# Altium PCB BLE-T1.PcbDoc (part 1 of 3)
Units mm, origin at the board's own origin, x right, y up, seen from the top; angles counter-clockwise.
Board outline 284.81 x 94.3 mm, 2 copper layers (Component Side, Bottom Layer), stack 1.571 mm thick; 189 components, 121 nets, 835 pads, 172 vias.
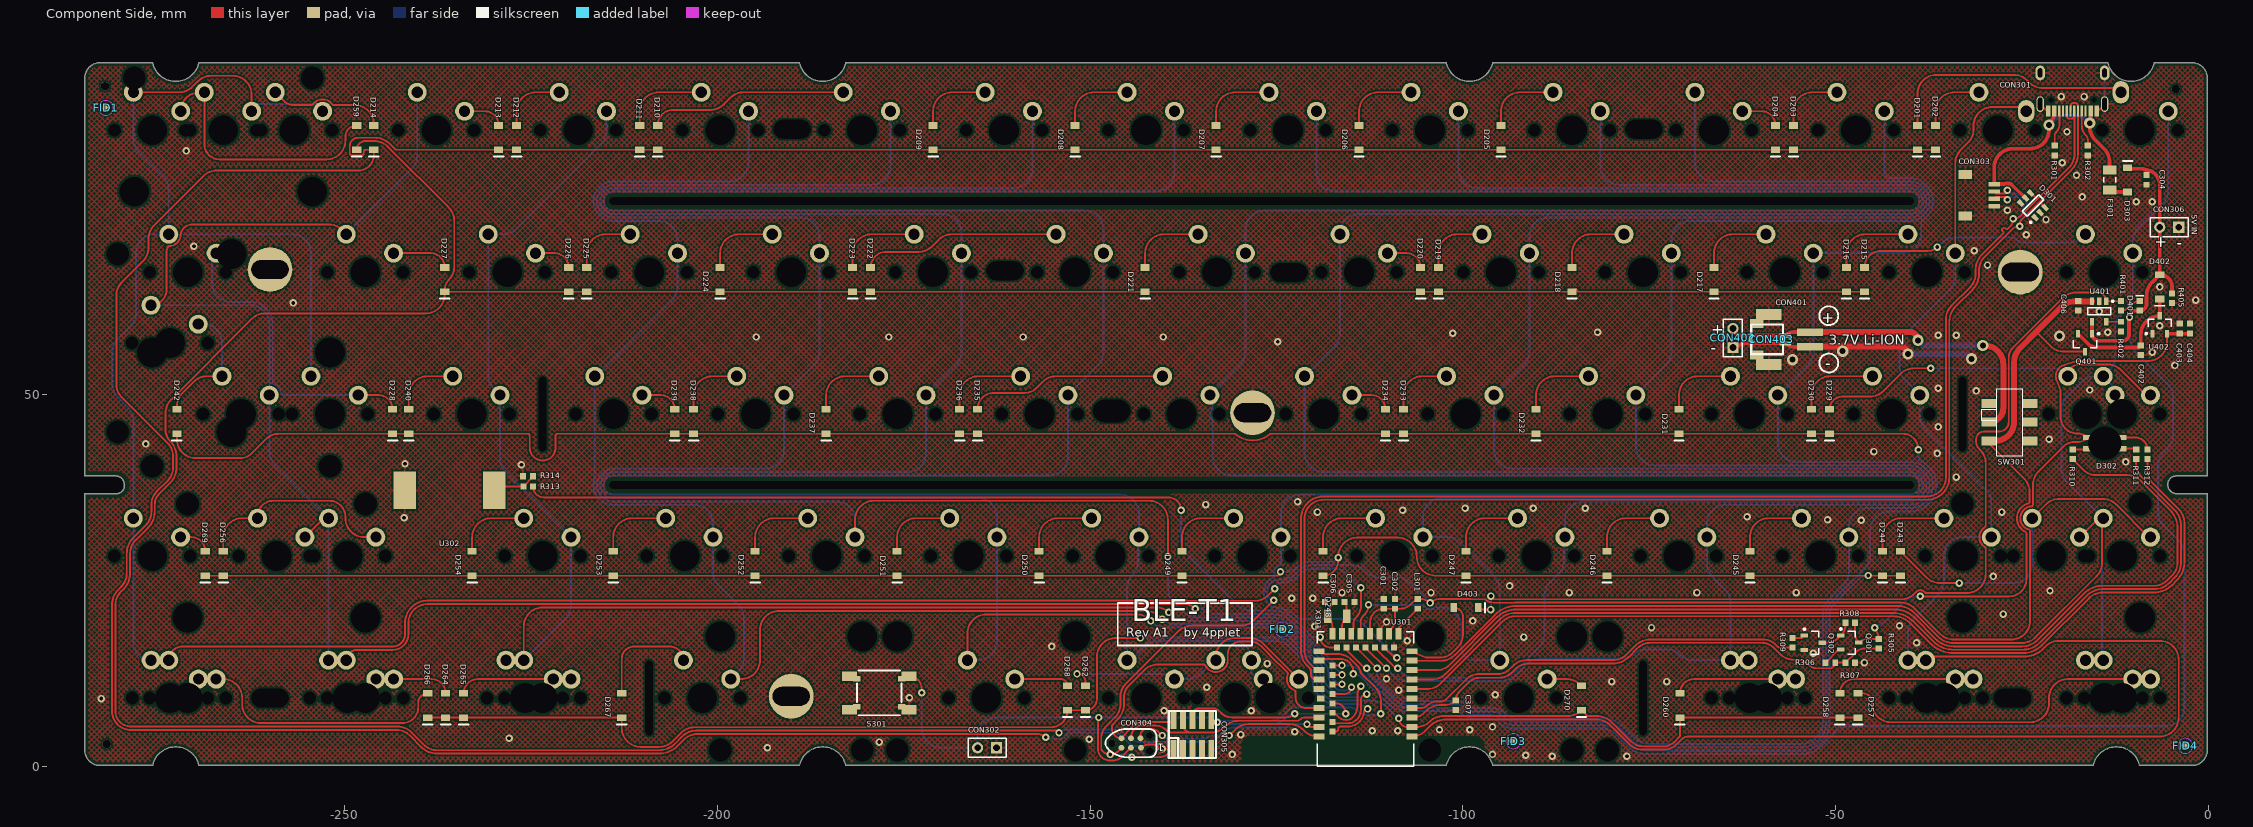
[diagram p0: Component Side view]
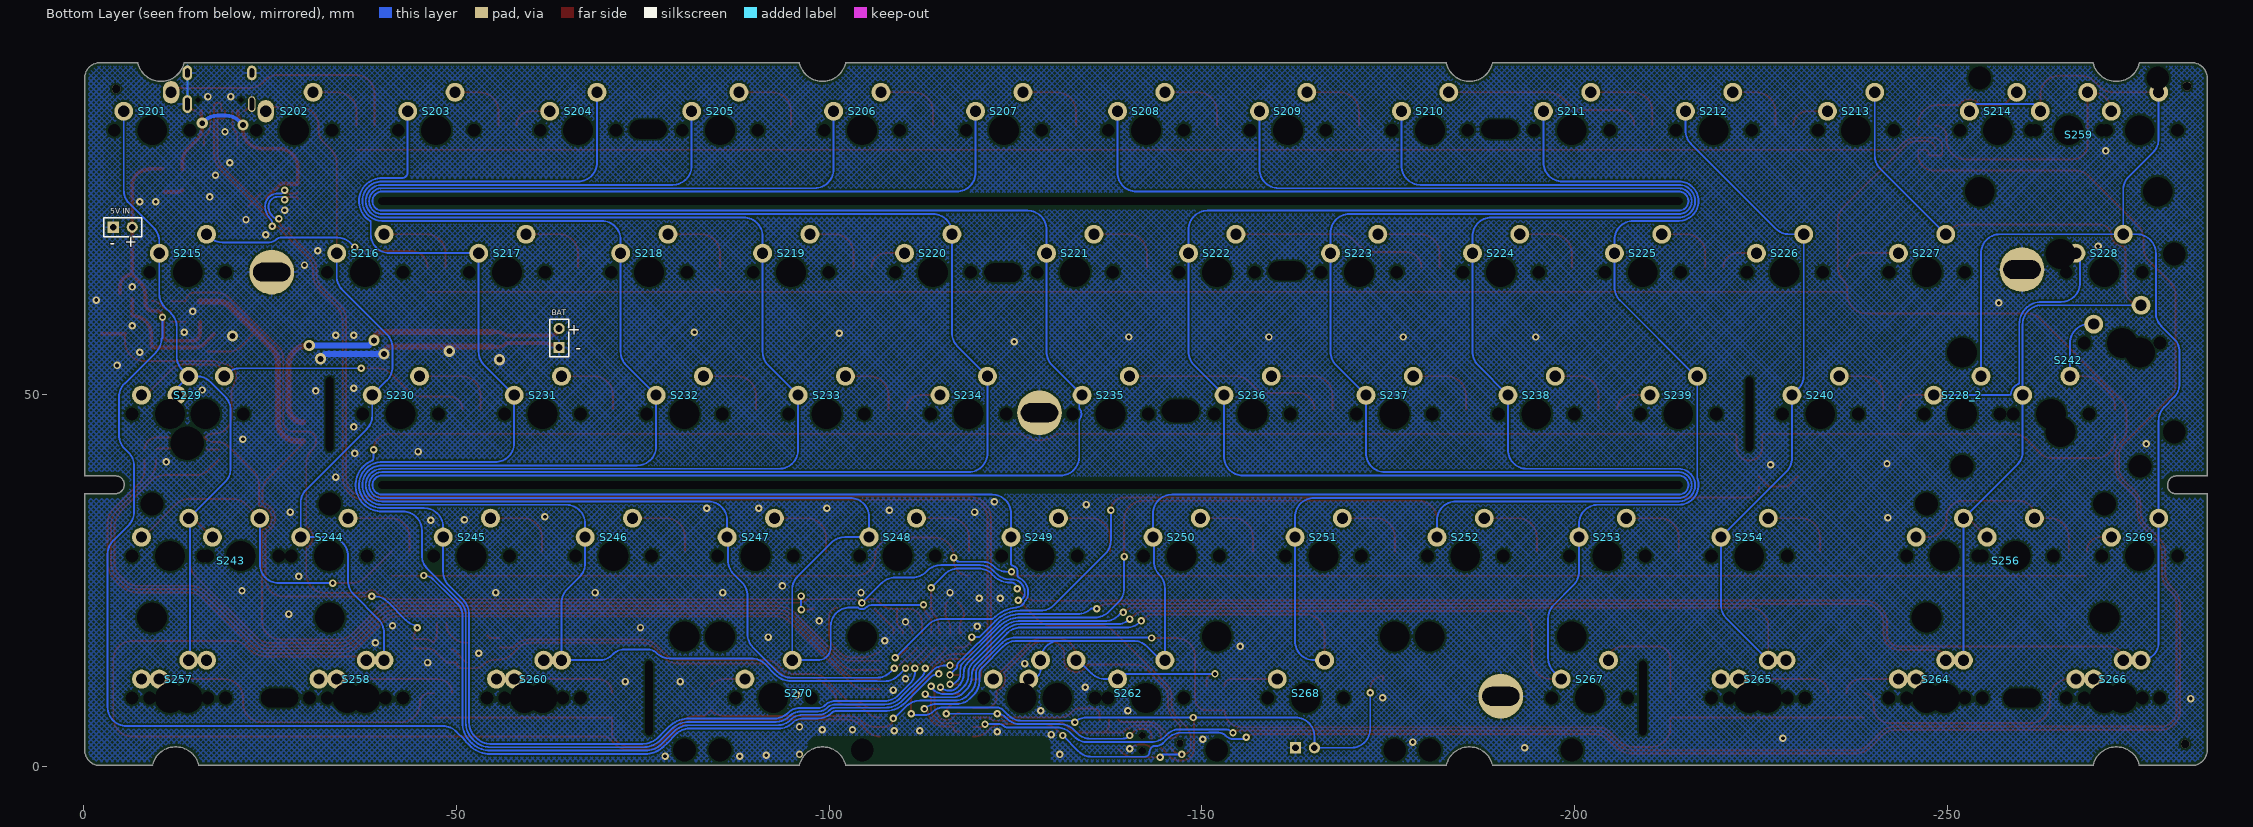
[diagram p1: Bottom Layer view, seen from below]

## Layer stack, top to bottom
Top Solder: solder mask 0.0102, Solder Resist, Dk 3.5
Component Side: signal copper 0.0356
Dielectric 1: core 1.5, FR-4, Dk 4.2
Bottom Layer: signal copper 0.0356
Solder Side: solder mask 0.0102, Solder Resist, Dk 3.5

## Board outline
-282.85,0.165 ccw(c-282.85,0.215) -282.85,0.165 cw(c-282.85,2.215) -284.9,2.215 -284.9,36.545 cw(c-284.861,36.576) -284.861,36.626 -280.67,36.626 ccw(c-280.67,37.719) -279.577,37.719 -279.577,37.795 ccw(c-280.797,37.795) -280.797,39.015 -284.85,39.015 cw(c-284.85,39.065) -284.9,39.065 -284.9,92.415 cw(c-282.85,92.415) -282.85,94.465 cw(c-282.85,94.415) -282.85,94.465 -275.85,94.465 cw(c-275.85,94.415) -275.801,94.426 cw(c-272.7,95.149) -275.801,94.426 ccw(c-272.7,95.149) -269.599,94.426 cw(c-269.55,94.415) -269.55,94.465 -189.05,94.465 cw(c-189.05,94.415) -189.001,94.426 ccw(c-185.9,95.149) -182.799,94.426 cw(c-182.75,94.415) -182.75,94.465 -102.25,94.465 cw(c-102.25,94.415) -102.201,94.426 cw(c-99.1,95.149) -102.201,94.426 ccw(c-99.1,95.149) -95.999,94.426 cw(c-95.95,94.415) -95.95,94.465 -13.477,94.465 cw(c-13.477,94.415) -13.428,94.426 cw(c-10.327,95.149) -13.428,94.426 ccw(c-10.327,95.149) -7.226,94.426 cw(c-7.177,94.415) -7.164,94.464 cw(c-7.15,94.415) -7.15,94.465 -2.15,94.465 cw(c-2.15,92.415) -0.1,92.415 -0.1,39.065 cw(c-0.15,39.065) -0.15,39.015 -4.242,39.015 ccw(c-4.242,37.846) -5.411,37.846 ccw(c-4.191,37.846) -4.191,36.626 -0.15,36.626 cw(c-0.15,36.576) -0.1,36.576 -0.1,2.215 cw(c-2.15,2.215) -2.15,0.165 -9.15,0.165 ccw(c-9.15,0.215) -9.15,0.165 cw(c-9.15,0.215) -9.199,0.204 ccw(c-12.3,-0.52) -15.401,0.204 ccw(c-12.3,-0.52) -15.401,0.204 cw(c-15.45,0.215) -15.45,0.165 -95.95,0.165 cw(c-95.95,0.215) -95.999,0.204 ccw(c-99.1,-0.52) -102.201,0.204 ccw(c-99.1,-0.52) -102.201,0.204 cw(c-102.25,0.215) -102.25,0.165 -182.75,0.165 cw(c-182.75,0.215) -182.799,0.204 cw(c-185.9,-0.52) -182.799,0.204 ccw(c-185.9,-0.52) -189.001,0.204 cw(c-189.05,0.215) -189.05,0.165 -269.55,0.165 cw(c-269.55,0.215) -269.55,0.165 cw(c-269.55,0.215) -269.599,0.204 ccw(c-272.7,-0.52) -275.801,0.204 ccw(c-272.7,-0.52) -275.801,0.204 cw(c-275.85,0.215) -275.85,0.165

## Design rules (kind name [scope] priority, off if disabled: settings)
Clearance [All] p1: gap=0.2 ignorepadtopadclearanceinfootprint=FALSE except(0: Arc-Hole Track-Hole SMDPad-Hole THPad-Hole Via-Hole Fill-Hole Poly-Hole Region-Hole Text-Hole; 0.254: THPad-THPad THPad-Via THPad-Fill THPad-Poly THPad-Region THPad-Text Via-Via Via-Fill Via-Poly Via-Region Via-Text Fill-Fill Fill-Poly Fill-Region Fill-Text Poly-Poly Poly-Region Poly-Text Region-Region Region-Text Text-Text)
ComponentClearance [InComponent('No Component') And OnLayer('Component Side')] p1: gap=0.254 collisioncheckmode=3 verticalgap=0.254 showdistances=FALSE
DiffPairsRouting DiffPairsRouting_USB [InDifferentialPairClass('All Differential Pairs')] p1: maxlimit=0.254 minlimit=0.203 mostfreqgap=0.203 toplayer_minwidth=0.152 toplayer_maxwidth=0.381 toplayer_prefwidth=0.152 bottomlayer_minwidth=0.152 bottomlayer_maxwidth=0.381 bottomlayer_prefwidth=0.152 maxuncoupledlength=12.7
DiffPairsRouting [All] p2: maxlimit=0.254 minlimit=0.254 mostfreqgap=0.254 toplayer_minwidth=0.381 toplayer_maxwidth=0.381 toplayer_prefwidth=0.381 bottomlayer_minwidth=0.381 bottomlayer_maxwidth=0.381 bottomlayer_prefwidth=0.381 maxuncoupledlength=12.7
HoleSize [All] p1: absolutevalues=TRUE maxlimit=20 minlimit=0.025 maxpercent=80.000 minpercent=20.000
MatchedLengths MatchedLengths_USB_DiffPairs_1 [All] p1: tolerance=0.127 checknetsindiffpair=TRUE checkdiffpairvsdiffpair=FALSE checkxsignals=FALSE checkothers=FALSE
MatchedLengths MatchedLengths_USB_DiffPairs [All] p2: tolerance=0.127 checknetsindiffpair=TRUE checkdiffpairvsdiffpair=FALSE checkxsignals=FALSE checkothers=FALSE
PolygonConnect PolygonConnect_1 [All vs IsVia] p1: connectstyle=Direct reliefconductorwidth=0.254 reliefentries=4 polygonreliefangle="90 Angle" airgapwidth=0.254
PolygonConnect [All] p2: connectstyle=Relief reliefconductorwidth=0.254 reliefentries=4 polygonreliefangle="90 Angle" airgapwidth=0.254
RoutingVias [All] p1: holewidth=0.711 width=1.27 viastyle="Through Hole" minholewidth=0.711 minwidth=1.27 maxholewidth=0.711 maxwidth=1.27
SolderMaskExpansion [All] p1: expansion=0.102 istentingtop=FALSE
Width [All] p1: maxlimit=1 minlimit=0.203 preferedwidth=0.254
27 further rules are at their usual default settings.

## Classes and differential pairs
component class Designator: C201 C202 C203 C204 C205 C206 D201 D202 D203 D204 D205 D206 D207 D208 D209 D210 D211 D212 D213 D214 D215 D216 D217 D218 D219 D220 D221 D222 D223 D224 D225 D226 D227 D228 D229 D230 D231 D232 D233 D234 D235 D236 D237 D238 D239 D240 D242 D243 D244 D245 D246 D247 D248 D249 D250 D251 D252 D253 D254 D256 D257 D258 D259 D260 D262 D264 D265 D266 D267 D268 D269 D270 S201 S202 S203 S204 S205 S206 S207 S208 S209 S210 S211 S212 S213 S214 S215 S216 S217 S218 S219 S220 S221 S222 S223 S224 S225 S226 S227 S228 S228_2 S229 S230 S231 S232 S233 S234 S235 S236 S237 S238 S239 S240 S242 S243 S244 S245 S246 S247 S248 S249 S250 S251 S252 S253 S254 S256 S257 S258 S259 S260 S262 S264 S265 S266 S267 S268 S269 S270
differential pair D: +D_P -D_N

## Components (designator, comment, footprint, x,y, rotation, side; value= is the part's Value field where it differs from the comment)
C301 "" C0603[1608] -110.617,21.844 r270 top value=0.1uF
C302 "" C0603[1608] -109.093,21.844 r270 top value=4,7uF
C304 "" C0603[1608] -8.255,78.74 r90 top value=0.1uF
C305 "" C0603[1608] -115.204,22.098 r180 top
C306 "" C0603[1608] -117.841,22.098 r0 top
C307 "DNM" C0603[1608] -100.965,8.255 r90 top
C402 "" C0603[1608] -9.017,55.88 r90 top value=4,7uF
C403 "" C0603[1608] -3.81,58.801 r270 top value=1uF
C404 "" C0603[1608] -2.413,58.801 r270 top value=4,7uF
C406 "" C0603[1608] -17.399,61.849 r90 top value=4,7uF
CON301 "TYPE-C-31-M-12" TYPE-C-31-M-12 -18.2,88 r180 top locked
CON302 "Header 2" HDR1X2 -162.56,2.54 r180 top
CON303 "Header 5" "JST SM04B-SRSS-TB" -32.577,79.484 r270 top
CON304 "TC2030-IDC" TC2030-IDC-NL -144.526,3.175 r0 top
CON305 "" HDR_2x5-SMD-1.27mm-K -136.271,4.318 r0 top
CON306 "Header" HDR1X2 -3.937,72.39 r180 top
CON401 "JST PH" "JST S2B-PH-SM4-TB" -58.928,53.975 r90 top
CON402 "Header" HDR1X2 -63.754,56.261 r90 top
CON403 "JST SH" "JST SM02B-SRSS-TB" -56.704,57.345 r270 top
D201 "Diode" SOD-123 -38.989,84.415 r90 top
D202 "Diode" SOD-123 -36.576,84.415 r90 top
D203 "Diode" SOD-123 -55.626,84.415 r90 top
D204 "Diode" SOD-123 -58.039,84.415 r90 top
D205 "Diode" SOD-123 -94.869,84.415 r90 top
D206 "Diode" SOD-123 -113.919,84.415 r90 top
D207 "Diode" SOD-123 -133.096,84.415 r90 top
D208 "Diode" SOD-123 -152.019,84.415 r90 top
D209 "Diode" SOD-123 -171.069,84.415 r90 top
D210 "Diode" SOD-123 -208.026,84.415 r90 top
D211 "Diode" SOD-123 -210.439,84.415 r90 top
D212 "Diode" SOD-123 -226.949,84.415 r90 top
D213 "Diode" SOD-123 -229.362,84.415 r90 top
D214 "Diode" SOD-123 -246.126,84.415 r90 top
D215 "Diode" SOD-123 -46.101,65.365 r90 top
D216 "Diode" SOD-123 -48.514,65.365 r90 top
D217 "Diode" SOD-123 -66.294,65.365 r90 top
D218 "Diode" SOD-123 -85.344,65.365 r90 top
D219 "Diode" SOD-123 -103.251,65.365 r90 top
D220 "Diode" SOD-123 -105.664,65.365 r90 top
D221 "Diode" SOD-123 -142.621,65.365 r90 top
D222 "Diode" SOD-123 -179.451,65.365 r90 top
D223 "Diode" SOD-123 -181.864,65.365 r90 top
D224 "Diode" SOD-123 -199.644,65.365 r90 top
D225 "Diode" SOD-123 -217.551,65.365 r90 top
D226 "Diode" SOD-123 -219.964,65.365 r90 top
D227 "Diode" SOD-123 -236.601,65.365 r90 top
D228 "Diode" SOD-123 -243.586,46.315 r90 top
D229 "Diode" SOD-123 -50.8,46.315 r90 top
D230 "Diode" SOD-123 -53.213,46.315 r90 top
D231 "Diode" SOD-123 -70.993,46.315 r90 top
D232 "Diode" SOD-123 -90.17,46.315 r90 top
D233 "Diode" SOD-123 -107.95,46.315 r90 top
D234 "Diode" SOD-123 -110.363,46.315 r90 top
D235 "Diode" SOD-123 -165.1,46.315 r90 top
D236 "Diode" SOD-123 -167.513,46.315 r90 top
D237 "Diode" SOD-123 -185.42,46.315 r90 top
D238 "Diode" SOD-123 -203.2,46.315 r90 top
D239 "Diode" SOD-123 -205.74,46.315 r90 top
D240 "Diode" SOD-123 -241.427,46.315 r90 top
D242 "Diode" SOD-123 -272.542,46.315 r90 top
D243 "Diode" SOD-123 -41.275,27.265 r90 top
D244 "Diode" SOD-123 -43.688,27.265 r90 top
D245 "Diode" SOD-123 -61.468,27.265 r90 top
D246 "Diode" SOD-123 -80.645,27.265 r90 top
D247 "Diode" SOD-123 -99.568,27.265 r90 top
D248 "Diode" SOD-123 -118.745,27.265 r90 top
D249 "Diode" SOD-123 -137.668,27.265 r90 top
D250 "Diode" SOD-123 -156.845,27.265 r90 top
D251 "Diode" SOD-123 -175.895,27.265 r90 top
D252 "Diode" SOD-123 -194.945,27.265 r90 top
D253 "Diode" SOD-123 -213.995,27.265 r90 top
D254 "Diode" SOD-123 -232.918,27.265 r90 top
D256 "Diode" SOD-123 -266.319,27.265 r90 top
D257 "Diode" SOD-123 -46.99,8.215 r90 top
D258 "Diode" SOD-123 -49.403,8.215 r90 top
D259 "Diode" SOD-123 -248.412,84.415 r90 top
D260 "Diode" SOD-123 -70.866,8.215 r90 top
D262 "Diode" SOD-123 -150.622,9.215 r90 top
D264 "Diode" SOD-123 -236.474,8.215 r90 top
D265 "Diode" SOD-123 -234.061,8.215 r90 top
D266 "Diode" SOD-123 -238.887,8.215 r90 top
D267 "Diode" SOD-123 -212.852,8.215 r90 top
D268 "Diode" SOD-123 -153.035,9.215 r90 top
D269 "Diode" SOD-123 -268.732,27.265 r90 top
D270 "Diode" SOD-123 -84.074,9.215 r90 top
D301 "SRV05" SOT-23-6 -23.495,75.311 r135 top
D302 "QT QBLP677R-RGB" "QT QBLP677R-RGB" -13.857,43.422 r0 top
D303 "Diode" SOD-123 -10.795,78.74 r270 top
D401 "LED0" LED0603[1608] -9.144,61.849 r90 top
D402 "Diode" SOD-123 -6.477,64.389 r90 top
D403 "Diode" SOD-123 -99.568,21.336 r180 top
F301 "Fuse Thermal" C1206[3216] -13.208,78.74 r90 top
FID1 "Plug" Fiducial_Nordic -282.067,88.392 r90 top
FID2 "Plug" Fiducial_Nordic -124.206,18.415 r90 top
FID3 "Plug" Fiducial_Nordic -93.218,3.429 r90 top
FID4 "Plug" Fiducial_Nordic -3.048,2.794 r90 top
L301 "Inductor" C0603[1608] -106.045,21.844 r270 top value=10mH
Q301 "PMOS-2" SOT-23-3 -48.059,16.652 r0 top
Q302 "MOSFET-N" SOT-23-3 -52.959,16.637 r0 top
Q401 "PMOS-2" SOT-23-3 -16.51,56.896 r270 top
R301 "Res1" R0603[1608] -20.574,82.677 r270 top value=5k1
R302 "Res1" R0603[1608] -16.129,82.677 r270 top value=5k1
R305 "Res1" R0603[1608] -44.196,16.51 r90 top value=DNM
R306 "Res1" R0603[1608] -50.673,13.97 r0 top value=100k
R307 "Res1" R0603[1608] -48.006,13.97 r0 top value=100k
R308 "Res1" R0603[1608] -48.006,19.304 r0 top value=10K
R309 "Res1" R0603[1608] -55.753,16.637 r270 top value=10K
R310 "Res1" R0603[1608] -18.161,41.91 r270 top value=100R
R311 "Res1" R0603[1608] -9.652,41.91 r270 top value=100R
R312 "Res1" R0603[1608] -8.128,41.91 r90 top value=150R
R313 "Res1" R0603[1608] -225.41,37.592 r180 top value=470
R314 "Res1" R0603[1608] -225.425,38.989 r0 top value=DNM
R401 "Res1" R0603[1608] -11.684,61.849 r270 top value=470
R402 "Res1" R0603[1608] -11.684,59.055 r270 top value=5k1
R405 "Res1" R0603[1608] -4.826,62.865 r270 top value=100k
S201 "MX" "MX-SWITCH - SWITCHED POL"#1 -9.15,85.415 r180 bottom locked
S202 "MX" "MX-switch - switched pol - connector" -28.2,85.415 r180 bottom locked
S203 "MX" "MX-SWITCH - SWITCHED POL"#2 -47.25,85.415 r180 bottom locked
S204 "MX" MX-switch -66.3,85.415 r180 bottom locked
S205 "MX" "MX-switch - switched pol" -85.35,85.415 r180 bottom locked
S206 "MX" "MX-switch - switched pol" -104.4,85.415 r180 bottom locked
S207 "MX" "MX-switch - switched pol" -123.45,85.415 r180 bottom locked
S208 "MX" "MX-switch - switched pol" -142.5,85.415 r180 bottom locked
S209 "MX" "MX-switch - switched pol" -161.55,85.415 r180 bottom locked
S210 "MX" "MX-switch - switched pol" -180.6,85.415 r180 bottom locked
S211 "MX" "MX-switch - switched pol" -199.65,85.415 r180 bottom locked
S212 "MX" "MX-switch - switched pol" -218.7,85.415 r180 bottom locked
S213 "MX" MX-switch -237.75,85.415 r180 bottom locked
S214 "MX" "MX-switch - switched pol" -256.8,85.415 r180 bottom locked
S215 "MX" "MX-switch - 1.5U - switched pol" -13.912,66.365 r180 bottom locked
S216 "MX" "MX-SWITCH - SWITCHED POL"#2 -37.725,66.365 r180 bottom locked
S217 "MX" "MX-SWITCH - SWITCHED POL"#2 -56.775,66.365 r180 bottom locked
S218 "MX" "MX-SWITCH - SWITCHED POL"#2 -75.825,66.365 r180 bottom locked
S219 "MX" "MX-SWITCH - SWITCHED POL"#2 -94.875,66.365 r180 bottom locked
S220 "MX" MX-switch -113.925,66.365 r180 bottom locked
S221 "MX" "MX-SWITCH - SWITCHED POL"#2 -132.975,66.365 r180 bottom locked
S222 "MX" "MX-SWITCH - SWITCHED POL"#2 -152.025,66.365 r180 bottom locked
S223 "MX" "MX-SWITCH - SWITCHED POL"#2 -171.075,66.365 r180 bottom locked
S224 "MX" "MX-SWITCH - SWITCHED POL"#2 -190.125,66.365 r180 bottom locked
S225 "MX" "MX-SWITCH - SWITCHED POL"#2 -209.175,66.365 r180 bottom locked
S226 "MX" MX-switch -228.225,66.365 r180 bottom locked
S227 "MX" MX-switch -247.275,66.365 r180 bottom locked
S228 "MX" "MX-switch - 1.5U" -271.087,66.365 r180 bottom locked
S228_2 "MX" MX-switch -252.012,47.315 r180 bottom
S229 "MX" "MX-switch - CAPS" -16.294,47.315 r180 bottom locked
S230 "MX" "MX-SWITCH - SWITCHED POL"#2 -42.487,47.315 r180 bottom locked
S231 "MX" "MX-SWITCH - SWITCHED POL"#2 -61.537,47.315 r180 bottom locked
S232 "MX" "MX-SWITCH - SWITCHED POL"#2 -80.587,47.315 r180 bottom locked
S233 "MX" "MX-SWITCH - SWITCHED POL"#2 -99.637,47.315 r180 bottom locked
S234 "MX" MX-switch -118.687,47.315 r180 bottom locked
S235 "MX" "MX-SWITCH - SWITCHED POL"#2 -137.737,47.315 r180 bottom locked
S236 "MX" "MX-SWITCH - SWITCHED POL"#2 -156.787,47.315 r180 bottom locked
S237 "MX" "MX-SWITCH - SWITCHED POL"#2 -175.837,47.315 r180 bottom locked
S238 "MX" "MX-SWITCH - SWITCHED POL"#2 -194.887,47.315 r180 bottom locked
S239 "MX" MX-switch -213.937,47.315 r180 bottom
S240 "MX" "MX-SWITCH - SWITCHED POL"#2 -232.987,47.315 r180 bottom locked
S242 "MX" "MX-switch - Enter" -263.95,47.315 r180 bottom locked
S243 "MX" "MX-switch - Left shift" -21.056,28.265 r180 bottom locked
S244 "MX" "MX-switch - switched pol" -32.893,28.265 r180 bottom locked
S245 "MX" "MX-SWITCH - SWITCHED POL"#2 -52.012,28.265 r180 bottom locked
S246 "MX" "MX-SWITCH - SWITCHED POL"#2 -71.062,28.265 r180 bottom locked
S247 "MX" "MX-SWITCH - SWITCHED POL"#2 -90.112,28.265 r180 bottom locked
S248 "MX" "MX-SWITCH - SWITCHED POL"#2 -109.162,28.265 r180 bottom locked
S249 "MX" "MX-SWITCH - SWITCHED POL"#2 -128.212,28.265 r180 bottom locked
S250 "MX" "MX-SWITCH - SWITCHED POL"#2 -147.262,28.265 r180 bottom locked
S251 "MX" "MX-SWITCH - SWITCHED POL"#2 -166.312,28.265 r180 bottom locked
S252 "MX" "MX-SWITCH - SWITCHED POL"#2 -185.362,28.265 r180 bottom locked
S253 "MX" "MX-SWITCH - SWITCHED POL"#2 -204.412,28.265 r180 bottom locked
S254 "MX" "MX-SWITCH - SWITCHED POL"#2 -223.462,28.265 r180 bottom locked
S256 "MX" "MX-switch - right shift" -259.18,28.265 r180 bottom
S257 "MX" "MX-switch - 1.5u MOD-L" -13.912,9.215 r180 bottom locked
S258 "MX" "MX-switch - 1u MOD-L" -37.719,9.215 r180 bottom locked
S259 "MX" "MX-SWITCH - BACKSPACE" -266.319,85.415 r180 bottom locked
S260 "MX" "MX-switch - 1.5u MOD-L" -61.537,9.215 r180 bottom locked
S262 "MX" "MX-SWITCH - SPACE_V3" -142.499,9.215 r180 bottom locked
S264 "MX" "MX-switch - 1u MOD-R" -247.269,9.215 r180 bottom
S265 "MX" "MX-switch - 1.5u MOD-R" -223.462,9.215 r180 bottom locked
S266 "MX" "MX-switch - 1.5u MOD-R" -271.087,9.215 r180 bottom locked
S267 "MX" "MX-switch - switched pol" -202.031,9.215 r180 bottom
S268 "MX" "MX-switch - R split space_V2" -163.931,9.215 r0 bottom locked
S269 "MX" MX-SWITCH -275.85,28.265 r180 bottom locked
S270 "MX" "MX-switch - L split space_V2" -102.018,9.215 r0 bottom locked
S301 "SW-PB" "Combo switch" -178.308,9.906 r180 top
SW301 "MKH-22D14-G2-B" MKH-22D14-G2-B -26.626,46.228 r270 top
U301 "E73-2G4M08S1C" "E73-2G4M08S1C BLE-T1" -113.057,0.094 r0 top locked
U302 "Speaker" "buzzer 12x12" -235.966,37.084 r180 top
U401 "MCP73831" SOT-23-5 -14.605,61.087 r270 top
U402 "SOT23 LDO" SOT-23-3 -6.477,59.309 r90 top
X301 "XTAL" "Seiko Epson Q13FC1350000400" -116.84,20.193 r0 top

## Footprints (in the part's own frame and the unit in brackets; to place one, negate y for a bottom-side part, rotate by r counter-clockwise, add the part's x,y. Pads: shape width x height; smd on the part's side, far side on the other; paste and mask are expansions set on the pad)
"buzzer 12x12" [mm] "Buzzer"
  rect 3x5 smd: 1(-6,0) 2(6,0)
  body extent -6,-6 6,6, height 3.05
C0603[1608] [mm] "Chip Resistor, 2-Leads, Body 1,57x0,80mm, IPC Medium Density"
  rect 0.8x0.85 smd: 1(-0.65,0) 2(0.65,0)
  body extent -0.83,-0.43 0.82,0.43, height 0.5
C1206[3216] [mm]
  rect 1.2x1.8 smd: 1(-1.35,0) 2(1.35,0)
  silkscreen extent -0.35,-0.8 0.35,0.8, body extent -1.6,-0.9 1.6,0.9, height 1.2
"Combo switch" [mm] "Wurth Electronics Inc."
  rect 2x1.3 smd: 1(-3.975,2.25) 2(-3.975,-2.25) ""(3.975,-2.25) ""(3.975,2.25)
  rect 1x0.75 smd: 1(-3,1.875) 2(-3,-1.875) ""(3,1.875) ""(3,-1.875)
  round 1 on Mech15: ""(0,0)
  silkscreen extent -3,-3 3,3, body extent -3.25,-2.55 3.25,2.55, height 2
"E73-2G4M08S1C BLE-T1" [mm]
  rect 1.5x0.8 smd: 1(6.25,3.97) 2(6.25,5.24) 3(6.25,6.51) 4(6.25,7.78) 5(6.25,9.05) 6(6.25,10.32) 7(6.25,11.59) 8(6.25,12.86) 9(6.25,14.13) 10(6.25,15.4) 26(-6.25,15.4) 27(-6.25,14.13) 29(-6.25,12.86) 31(-6.25,11.59) 33(-6.25,10.32) 37(-6.25,7.78) 39(-6.25,6.51) 41(-6.25,5.24) 43(-6.25,3.97)
  rect 0.8x1.5 smd: 11(-4.45,17.75) 13(-3.18,17.75) 15(-1.91,17.75) 17(-0.64,17.75) 19(0.63,17.75) 21(1.9,17.75) 23(3.17,17.75) 25(4.44,17.75)
  rect 0.8x0.8 smd: 12(-3.81,15.9) 14(-2.54,15.9) 16(-1.27,15.9) 18(0,15.9) 20(1.27,15.9) 22(2.54,15.9) 24(3.81,15.9) 28(-4.4,13.495) 30(-4.4,12.225) 32(-4.4,10.955) 34(-4.4,9.685) 36(-4.4,8.415) 38(-4.4,7.145) 40(-4.4,5.875) 42(-4.4,4.605)
  rect 1x0.8 smd: 35(-6,9.05)
  silkscreen extent -6.5,0 6.5,18, body extent -6.6,0.02 6.4,18.02, height 3
Fiducial_Nordic [mm]
  round 1 smd paste+0 mask+0.5: 0(0,0)
  Component Side keep-out circle w0.01: c0,0 r1
HDR1X2 [mm] "Connector; Header; 2 Position"
  rect 1.5x1.5 hole 0.9: 1(0,0)
  round 1.5 hole 0.9: 2(2.54,0)
  silkscreen extent -1.27,-1.27 3.81,1.27
HDR_2x5-SMD-1.27mm-K [mm]
  rect 0.76x2.4 smd: 1(-2.54,-1.95) 2(-2.54,1.95) 3(-1.27,-1.95) 4(-1.27,1.95) 5(0,-1.95) 6(0,1.95) 7(1.27,-1.95) 8(1.27,1.95) 9(2.54,-1.95) 10(2.54,1.95)
  silkscreen extent -3.17,-3.15 3.17,3.15, body extent -3.14,-2.92 3.14,2.92, height 6.11
"JST S2B-PH-SM4-TB" [mm]
  rect 1x3.5 smd: 1(4.35,-5.5) 2(2.35,-5.5)
  rect 1.5x3.4 smd: 3(0,0) 3(6.7,0)
  silkscreen extent -1.08,-9.31 7.81,-6.77, body extent -0.65,-6.95 7.25,1.65, height 5.5
"JST SM02B-SRSS-TB" [mm]
  rect 1.2x1.8 smd: 0(-2.1,-3.875) 0(2.1,-3.875)
  rect 0.6x1.55 smd: 1(-0.5,0) 2(0.5,0)
  silkscreen extent -2,-4.57 2,-0.33, body extent -1.99,-4.58 1.99,0.41, height 3
"JST SM04B-SRSS-TB" [mm]
  rect 0.6x1.55 smd: 1(1.3,3.875) 2(2.3,3.875) 3(3.3,3.875) 4(4.3,3.875)
  rect 1.2x1.8 smd: 5(0,0) 5(5.6,0)
  body extent -0.21,-0.76 5.79,4.19, height 3.25
LED0603[1608] [mm] "Chip Resistor, 2-Leads, Body 1,57x0,80mm, IPC Medium Density"
  rect 0.8x0.85 smd: 1(-0.65,0) 2(0.65,0)
  silkscreen extent 1.37,-0.51 1.37,0.53, body extent -0.77,-0.4 0.83,0.4, height 0.8
MKH-22D14-G2-B [mm]
  rect 1.2x2 smd: 1(2.5,-2.75) 2(0,-2.75) 3(-2.5,-2.75) 4(2.5,2.75) 5(0,2.75) 6(-2.5,2.75)
  silkscreen extent -4.5,-3.75 4.5,1.75, body extent -4.25,-3.75 4.25,2.5, height 3.5
MX-switch [mm]
  round 2.54 hole 1.499 mask+0.102: 1(-3.81,2.54) 2(2.54,5.08)
  round 1 hole 1.702 unplated: ""(-5.08,0) ""(5.08,0)
  round 1 hole 3.988 unplated: ""(0,0)
MX-SWITCH [mm]
  round 2.54 hole 1.499 mask+0.102: 1(-3.81,2.54) 2(2.54,5.08)
  round 1 hole 1.702 unplated: ""(-5.08,0) ""(5.08,0)
  round 1 hole 3.988 unplated: ""(0,0)
"MX-switch - 1.5U" [mm]
  round 2.54 hole 1.499 mask+0.102: 1(-3.81,2.54) 2(2.54,5.08)
  round 1 hole 1.702 unplated: ""(-5.08,0) ""(5.08,0)
  round 1 hole 3.988 unplated: ""(0,0)
  round 1 on Mech14: ""(0,0)
"MX-switch - 1.5U - switched pol" [mm]
  round 2.54 hole 1.499 mask+0.102: 1(2.54,5.08) 2(-3.81,2.54)
  round 1 hole 1.702 unplated: ""(-5.08,0) ""(5.08,0)
  round 1 hole 3.988 unplated: ""(0,0)
  round 1 on Mech14: ""(0,0)
"MX-switch - 1.5u MOD-L" [mm]
  round 2.54 hole 1.499 mask+0.102: 1(-6.191,2.54) 1(-3.81,2.54) 2(0.159,5.08) 2(2.54,5.08)
  round 1 hole 1.702 unplated: ""(-7.461,0) ""(-5.08,0) ""(2.699,0) ""(5.08,0)
  round 1 on Mech14: ""(-4.763,0) ""(-2.381,0) ""(0,0) ""(4.763,0)
  round 1 hole 3.988 unplated: ""(-2.381,0) ""(0,0)
"MX-switch - 1.5u MOD-R" [mm]
  round 2.54 hole 1.499 mask+0.102: 1(-3.81,2.54) 1(-1.429,2.54) 2(2.54,5.08) 2(4.921,5.08)
  round 1 hole 1.702 unplated: ""(-5.08,0) ""(-2.699,0) ""(5.08,0) ""(7.461,0)
  round 1 on Mech14: ""(-2.381,0) ""(0,0) ""(2.381,0) ""(4.763,0)
  round 1 hole 3.988 unplated: ""(0,0) ""(2.381,0)
"MX-switch - 1u MOD-L" [mm]
  round 2.54 hole 1.499 mask+0.102: 1(-6.191,2.54) 1(-3.81,2.54) 2(0.159,5.08) 2(2.54,5.08)
  round 1 hole 1.702 unplated: ""(-7.461,0) ""(-5.08,0) ""(2.699,0) ""(5.08,0)
  round 1 hole 3.988 unplated: ""(-2.381,0) ""(0,0)
  round 1 on Mech14: ""(-2.381,0) ""(0,0) ""(2.381,0)
"MX-switch - 1u MOD-R" [mm]
  round 2.54 hole 1.499 mask+0.102: 1(-3.81,2.54) 1(-1.429,2.54) 2(2.54,5.08) 2(4.921,5.08)
  round 1 hole 1.702 unplated: ""(-5.08,0) ""(-2.699,0) ""(5.08,0) ""(7.461,0)
  round 1 on Mech14: ""(-4.763,0) ""(-2.381,0) ""(0,0) ""(2.381,0)
  round 1 hole 3.988 unplated: ""(0,0) ""(2.381,0)
"MX-SWITCH - BACKSPACE" [mil]
  round 100 hole 59 mask+4: 1(100,200) 1(225,100) 2(-150,100) 2(475,200)
  round 60 hole 157.01 unplated: ""(-470,-325) ""(470,-325)
  round 60 hole 120 unplated: ""(-470,275) ""(470,275)
  round 39.37 hole 67.01 unplated: ""(-200,0) ""(175,0) ""(200,0) ""(575,0)
  round 39.37 hole 157.01 unplated: ""(0,0) ""(375,0)
  round 39.37 on Mech14: ""(0,0) ""(375,0)
"MX-switch - CAPS" [mm]
  round 2.54 hole 1.499 mask+0.102: 1(-8.572,2.54) 1(2.54,5.08) 2(-3.81,2.54) 2(-2.222,5.08)
  round 1 hole 1.702 unplated: ""(-9.842,0) ""(5.08,0)
  round 1 hole 3.988 unplated: ""(-4.763,0) ""(0,0)
  round 1 on Mech14: ""(-4.763,0) ""(0,0)
"MX-switch - Enter" [mm]
  round 2.54 hole 1.499 mask+0.102: 1(2.54,5.08) 1(5.72,12.07) 2(-3.81,2.54) 2(12.07,14.61)
  round 1.524 hole 3.048 unplated: ""(-11.938,-6.985) ""(11.938,-6.985) ""(16.515,-2.408) ""(16.515,21.468)
  round 1.524 hole 3.988 unplated: ""(-11.938,8.255) ""(1.275,-2.408) ""(1.275,21.468) ""(11.938,8.255)
  round 1 hole 1.702 unplated: ""(-5.08,0) ""(4.45,9.53) ""(5.08,0) ""(14.61,9.53)
  round 1 hole 3.988 unplated: ""(0,0) ""(9.53,9.53)
  round 1 on Mech14: ""(0,0) ""(9.53,9.53)
"MX-switch - L split space_V2" [mil]
  round 100 hole 59 mask+4: 1(525,-100) 2(275,-200)
  round 60 hole 157.01 unplated: ""(-95,-325)
  round 60 hole 120 unplated: ""(-95,275)
  round 39.37 hole 67.01 unplated: ""(175,0) ""(575,0)
  round 39.37 hole 157.01 unplated: ""(375,0)
  round 39.37 on Mech14: ""(375,0)
"MX-switch - Left shift" [mil]
  round 100 hole 59 mask+4: 1(-525,100) 1(100,200) 2(-275,200) 2(-150,100)
  round 39.37 hole 67.01 unplated: ""(-575,0) ""(-200,0) ""(-175,0) ""(200,0)
  round 60 hole 157.01 unplated: ""(-470,-325) ""(470,-325)
  round 60 hole 120 unplated: ""(-470,275) ""(470,275)
  round 39.37 hole 157.01 unplated: ""(-375,0) ""(0,0)
  round 39.37 on Mech14: ""(-375,0) ""(0,0)
"MX-switch - R split space_V2" [mil]
  round 100 hole 59 mask+4: 1(150,-100) 2(-100,-200)
  round 60 hole 157.01 unplated: ""(-470,-325) ""(470,-325)
  round 60 hole 120 unplated: ""(-470,275) ""(470,275)
  round 39.37 hole 67.01 unplated: ""(-200,0) ""(200,0)
  round 39.37 hole 157.01 unplated: ""(0,0)
  round 39.37 on Mech14: ""(0,0)
"MX-switch - right shift" [mil]
  round 100 hole 59 mask+4: 1(-525,100) 1(100,200) 2(-275,200) 2(-150,100)
  round 39.37 hole 67.01 unplated: ""(-575,0) ""(-200,0) ""(-175,0) ""(200,0)
  round 60 hole 157.01 unplated: ""(-470,-325) ""(470,-325)
  round 60 hole 120 unplated: ""(-470,275) ""(470,275)
  round 39.37 hole 157.01 unplated: ""(-375,0) ""(0,0)
  round 39.37 on Mech14: ""(-375,0) ""(0,0)
"MX-SWITCH - SPACE_V3" [mil]
  round 100 hole 59 mask+4: 1(-806.55,100) 1(-368.75,200) 1(-150,100) 2(-618.75,100) 2(-556.55,200) 2(100,200)
  round 60 hole 120 unplated: ""(-2437.4,-275) ""(-2250,-275) ""(1499.61,-275) ""(2250,-275)
  round 60 hole 157.01 unplated: ""(-2437.4,325) ""(-2250,325) ""(1499.61,325) ""(2250,325)
  round 39.37 hole 67.01 unplated: ""(-856.55,0) ""(-268.75,0) ""(-200,0) ""(200,0)
  round 39.37 hole 157.01 unplated: ""(-656.55,0) ""(-468.75,0) ""(0,0)
  round 39.37 on Mech14: ""(-656.55,0) ""(-468.75,0) ""(0,0)
"MX-SWITCH - SWITCHED POL"#1 [mm]
  oval 2.2x3 hole 1.499 mask+0.102: 1(2.54,5.08)
  round 2.54 hole 1.499 mask+0.102: 2(-3.81,2.54)
  round 1 hole 1.702 unplated: ""(-5.08,0) ""(5.08,0)
  round 1 hole 3.988 unplated: ""(0,0)
"MX-SWITCH - SWITCHED POL"#2 [mm]
  round 2.54 hole 1.499 mask+0.102: 1(2.54,5.08) 2(-3.81,2.54)
  round 1 hole 1.702 unplated: ""(-5.08,0) ""(5.08,0)
  round 1 hole 3.988 unplated: ""(0,0)
"MX-switch - switched pol" [mm]
  round 2.54 hole 1.499 mask+0.102: 1(2.54,5.08) 2(-3.81,2.54)
  round 1 hole 1.702 unplated: ""(-5.08,0) ""(5.08,0)
  round 1 hole 3.988 unplated: ""(0,0)
"MX-switch - switched pol - connector" [mm]
  round 2.54 hole 1.499 mask+0.102: 1(2.54,5.08)
  oval 2.2x3 hole 1.499 mask+0.102: 2(-3.81,2.54)
  round 1 hole 1.702 unplated: ""(-5.08,0) ""(5.08,0)
  round 1 hole 3.988 unplated: ""(0,0)
"QT QBLP677R-RGB" [mm]
  rect 1.2x0.7 smd: 1(-2.3,-0.75) 2(2.3,-0.75) 3(2.3,0.75) 4(-2.3,0.75)
  round 1 hole 4.5 unplated: ""(0,0)
  body extent -2.79,-1.4 2.79,1.4, height 0.88
R0603[1608] [mm] "Chip Resistor, 2-Leads, Body 1,57x0,80mm, IPC Medium Density"
  rect 0.8x0.85 smd: 1(-0.65,0) 2(0.65,0)
  body extent -0.83,-0.43 0.82,0.43, height 0.5
"Seiko Epson Q13FC1350000400" [mm] "32.768KHz ±20ppm 12.5pF 70kO"
  rect 1x1.8 smd: 1(-1.254,0) 2(1.254,0)
SOD-123 [mm]
  rect 0.91x1.22 smd: 1(1.635,0) 2(-1.635,0)
  silkscreen extent -2.54,-0.64 -2.54,0.63, body extent -1.87,-0.85 1.88,0.85, height 1.2
SOT-23-3 [mm] "3.3v regulator, used in Windsond S2 proto 1"
  rect 1x0.55 smd: 1(-1.2,0.95) 2(-1.2,-0.95) 3(1.2,0)
  silkscreen extent -1.32,-1.55 0.7,1.95, body extent -1.45,-1.5 1.1,1.5, height 1
SOT-23-5 [mm]
  rect 1x0.55 smd: 1(-1.375,0.95) 2(-1.375,0) 3(-1.375,-0.95) 4(1.375,-0.95) 5(1.375,0.95)
  silkscreen extent -1.5,-1.55 0.46,1.93, body extent -1.63,-1.5 1.58,1.5, height 0.92
SOT-23-6 [mm]
  rect 1x0.55 smd: 1(-1.375,0.95) 2(-1.375,0) 3(-1.375,-0.95) 4(1.375,-0.95) 5(1.375,0) 6(1.375,0.95)
  silkscreen extent -1.5,-1.55 0.46,1.92, body extent -1.37,-1.44 1.47,1.49, height 1.05
TC2030-IDC-NL [mm] "Tag-Connect 6-Pin with No Legs (PN# TC2030-IDC-NL)"
  round 0.9 hole 0.995 unplated: 0(-2.54,0) 0(2.54,-1.016) 0(2.54,1.016)
  round 0.79 smd paste-0.39: 1(-1.27,-0.635) 2(-1.27,0.635) 3(0,-0.635) 4(0,0.635) 5(1.35,-0.635) 6(1.27,0.635)
  silkscreen extent -3.43,-1.91 3.43,1.9
TYPE-C-31-M-12 [mm]
  rect 0.6x1.45 smd: A1B12(-3.25,0) A4B9(-2.45,0) B1A12(3.25,0) B4A9(2.45,0)
  rect 0.3x1.45 smd: A5(-1.25,0) A6(-0.25,0) A7(0.25,0) A8(1.25,0) B5(1.75,0) B6(0.75,0) B7(-0.75,0) B8(-1.75,0)
  oval 1x2.1 / inner oval 1x2.1 / far side oval 1.3x2.4 hole 0.6 slot 1.7 at 90 deg: S1(-4.32,-0.915)
  oval 1.3x2 hole 0.6 slot 1.2 at 90 deg: S1(-4.32,-5.095) S1(4.32,-5.095)
  oval 1x2.1 hole 0.6 slot 1.7 at 90 deg: S1(4.32,-0.915)
  round 0 hole 0.65 unplated: ""(-2.89,-1.445) ""(2.89,-1.445)
  body extent -4.47,-7.72 4.47,0.18, height 3.21

## Part data
C301 C304: library part Cap, "Capacitor", LCSC MFG=YAGEO, LCSC Part #=C14663, MFG=KEMET, MFGPN=C0603C104M5RACTU, MRF.Part=CC0603KRX7R9BB104, Version="0603 imperial"
C302 C402 C404 C406: library part Cap, "Capacitor", LCSC MFG="Samsung Electro-Mechanics", LCSC Part #=C19666, MRF.Part=CL10A475KO8NNNC
C305 C306 C307: library part Cap, "Capacitor", Version="0603 imperial"
C403: library part Cap, "Capacitor", LCSC MFG="Samsung Electro-Mechanics", LCSC Part #=C15849, MFG=KEMET, MFGPN=C0603C104M5RACTU, MRF.Part=CL10A105KB8NNNC, Version="0603 imperial"
CON301: LCSC MFG="Korean Hroparts Elec", LCSC Part #=C165948, MFG="Korean Hroparts Elec", MFGPN=TYPE-C-31-M-12, MRF.Part=TYPE-C-31-M-12
CON302: "Header, 2-Pin"
CON303: "JST for USB daughter board", LCSC MFG="JST Sales America", LCSC Part #=C160404, MFG="JST Sales America Inc.", MFGPN=SM04B-SRSS-TB(LF)(SN), MRF.Part=SM04B-SRSS-TB(LF)(SN)
CON304: library part "Header 3X2", "Header, 3-Pin, Dual row"
CON305: library part "Pin Header 2x5 SMD, 1.27mm, KS", "Pin Header 2x5, 1.27mm (50mil), SMD, Keying Shroud", MFG="Samtec Inc.", MFGPN=FTSH-105-01-F-DV-K-TR
CON306 CON402: library part "Header 2", "Header, 2-Pin"
CON401 CON403: library part "JST S2B-PH-SM4-TB", MFG="JST Sales America Inc.", MFGPN=S2B-PH-SM4-TB(LF)(SN)
D201 D202 D203 D204 D205 D206 D207 D208 D209 D210 D211 D212 D213 D214 D215 D216 D217 D218 D219 D220 D221 D222 D223 D224 D225 D226 D227 D228 D229 D230 D231 D232 D233 D234 D235 D236 D237 D238 D239 D240 D242 D243 D244 D245 D246 D247 D248 D249 D250 D251 D252 D253 D254 D256 D257 D258 D259 D260 D262 D264 D265 D266 D267 D268 D269 D270: "Default Diode", LCSC MFG=ST(Semtech), LCSC Part #=C81598, Version=SOD-123
D301: LCSC MFG="ProTek Devices", LCSC Part #=C85364, MRF.Part=SRV05-4-P-T7
D302: "RGB LED", MFG="QT Brightek (QTB)", MFGPN=QBLP677R-RGB, Version="Common Anode RGB LED"
D303 D402 D403: "Default Diode", LCSC MFG="Changjiang Electronics Tech (CJ)", LCSC Part #=C8598, MRF.Part=B5819W, Version=SOD-123
D401: "Typical INFRARED GaAs LED", MFG=Kingbright, MFGPN=AM2520SECK09
F301: "Thermal Fuse", LCSC MFG="Shenzhen JDT Fuse", LCSC Part #=C135338, MFG="Bel Fuse Inc.", MFGPN=0ZCJ0050FF2G, MRF.Part=ASMD1206-050
Q301 Q401: "P-Channel Power MOSFET", LCSC MFG="Vishay Intertech", LCSC Part #=C10487, MRF.Part=SI2301CDS-T1-GE3, Note="Pin 4 not drawn and electrically connected to Pin 2."
Q302: "N-Channel MOSFET", LCSC MFG="Changjiang Electronics Tech (CJ)", LCSC Part #=C8545, MRF.Part=2N7002
R301 R302 R402: "Resistor", LCSC MFG="Uniroyal Elec", LCSC Part #=C23186, MRF.Part=0603WAF5101T5E, Version="0603 imperial"
R305 R308 R309: "Resistor", Version="0603 imperial"
R306 R307 R405: "Resistor", LCSC MFG="Uniroyal Elec", LCSC Part #=C25803, MRF.Part=0603WAF1003T5E, Version="0603 imperial"
R310 R311: "Resistor", LCSC MFG="Uniroyal Elec", LCSC Part #=C22775, MRF.Part=0603WAF1000T5E, Version="0603 imperial"
R312: "Resistor", LCSC MFG="Uniroyal Elec", LCSC Part #=C22808, MRF.Part=0603WAF1500T5E, Version="0603 imperial"
R313 R401: "Resistor", LCSC MFG="UNI-ROYAL(Uniroyal Elec)", LCSC Part #=C23179, MFG="Panasonic Electronic Components", MFGPN=ERJ-3EKF5101V, MRF.Part=0603WAF4700T5E, Version="0603 imperial"
R314: "Resistor", LCSC MFG="Uniroyal Elec", LCSC Part #=C23345, MRF.Part=0603WAF220JT5E, Version="0603 imperial"
S201 S202 S203 S204 S205 S206 S207 S208 S209 S210 S211 S212 S213 S214 S216 S217 S218 S219 S220 S221 S222 S223 S224 S225 S226 S227 S228 S228_2 S229 S230 S231 S232 S233 S234 S235 S236 S237 S238 S239 S240 S242 S243 S244 S245 S246 S247 S248 S249 S250 S251 S252 S253 S254 S256 S257 S258 S259 S260 S262 S264 S265 S266 S267 S268 S269 S270: library part SW-PB, "Switch"
S215: library part SW-PB, "TAB"
S301: "Switch", LCSC MFG="XKB Enterprise", LCSC Part #=C318888, MFG=C&K, MFGPN="PTS645SM43SMTR92 LFS", MRF.Part=TS-1187A-C-D-B
SW301: "Slide Switch DPDT", MFG="Nidec Copal Electronics", MFGPN=CL-SB-22B-11T
U302: "Loudspeaker"
U402: LCSC MFG="Torex Semicon", LCSC Part #=C5446, MFG="Texas Instruments", MFGPN=TPS7A0533PDBZ, MRF.Part=XC6206P332MR
X301: "Crystal Oscillator", LCSC MFG="Seiko Epson", LCSC Part #=C32346, MRF.Part=Q13FC1350000400

## Free pads (board coordinates)
  round 1.152 hole 1.152 unplated paste+0.148 mask+0.148: ""(-282.194,91.313) ""(-281.94,3.048) ""(-4.318,90.932)
  round 0 hole 2.5 slot 5 at 0 deg unplated: ""(-260.05,9.215) ""(-189.992,85.542) ""(-161.423,66.548) ""(-123.323,66.294) ""(-75.692,85.542) ""(-26.25,9.215)
  round 6 hole 2.5 slot 5 at 0 deg: ""(-260.05,66.715) ""(-190.119,9.45) ""(-128.212,47.5) ""(-25.2,66.365)
  round 0 hole 1 slot 10 at 90 deg unplated: ""(-223.462,47.315) ""(-209.169,9.215) ""(-75.819,9.215) ""(-32.962,47.315)
  round 0 hole 3 slot 5 at 0 deg unplated: ""(-147.123,47.742)
  round 0 hole 1 slot 175 at 0 deg unplated: ""(-127,37.79) ""(-127,75.89)

## Via types
v1: diameter 1, hole 0.5, Component Side to Bottom Layer, tented both sides, 163 vias
v2: diameter 1.5, hole 0.8, Component Side to Bottom Layer, tented both sides, 7 vias
v3: diameter 1.5, hole 0.75, Component Side to Bottom Layer, tented both sides, 2 vias

## Nets (pads, with @x,y where several pads share a name; then routed paths per layer and width w, separated by ;. In a path a pad name is that pad's centre, name@x,y a point inside that pad or via, vN(x,y) a via of type N, cw(c..) or ccw(c..) an arc to the next point about the centre after c; other vN are vias at no path point)
BUZZER: R313.1 U301.12 | length 120.1
  Component Side w0.254: R313.1@-224.76,37.592 ccw(c-223.309,37.592) -223.309,36.141 -139.519,36.141 cw(c-139.519,34.417) v1(-137.795,34.417) ; v1(-119.126,17.399) ccw(c-117.721,17.399) -118.497,16.228 ccw(c-118.356,16.439) -118.444,16.201 cw(c-118.557,15.894) -118.356,16.152 ccw(c-118.2,16.352) -118.307,16.122 ccw(c-117.721,17.399) -117.721,15.994 U301.12@-116.867,15.994
  Bottom Layer w0.254: v1(-137.795,34.417) -137.795,30.389 ccw(c-135.255,30.389) -137.051,28.593 -130.141,21.683 ccw(c-128.345,23.479) -128.345,20.939 -125.667,20.939 cw(c-125.667,16.129) -123.202,20.259 cw(c-125.667,16.129) -122.265,19.529 -120.135,17.399 v1(-119.126,17.399)
col1: S201.2 S215.2 S229.2 S243.2 S257.2 U301.9 | length 198.4
  Component Side w0.254: U301.9@-106.807,14.224 -102.906,14.224 ccw(c-102.906,16.764) -101.11,14.968 -95.666,20.412 cw(c-92.907,17.653) -95.665,20.413 cw(c-92.907,17.653) -92.907,21.555 -41.57,21.555 cw(c-41.57,18.561) -39.454,20.679 ; -39.453,20.678 -36.254,17.479 ccw(c-34.137,19.596) -34.137,16.602 -24.963,16.602 ccw(c-24.963,19.142) -23.167,17.346 -14.968,25.545 ccw(c-16.764,27.341) -14.224,27.341 -14.224,33.192 S243.2@-14.071,33.345 ccw(c-14.071,31.812) -15.155,32.896 S243.2@-17.246,30.805 ; S201.2@-5.34,87.955 S201.2@-5.334,87.949
  Bottom Layer w0.254: S243.2@-17.246,30.805 S243.2@-16.611,30.805 ; S257.2@-14.224,14.351 -14.224,33.192 S243.2@-14.071,33.345 -18.941,38.215 cw(c-17.145,40.011) -19.685,40.011 -19.685,47.843 cw(c-17.145,47.843) -18.941,49.639 -16.929,51.651 cw(c-15.133,49.855) -15.133,52.395 S229.2@-14.071,52.395 ; S229.2@-12.484,49.855 -12.484,50.808 S229.2@-14.071,52.395 ; S201.2@-5.34,87.955 -5.34,77.373 cw(c-7.88,77.373) -6.084,75.577 -9.359,72.302 ccw(c-7.562,70.506) -10.097,70.675 ccw(c-7.562,70.506) -10.102,70.506 S215.2@-10.102,68.905 -10.102,63.467 cw(c-12.642,63.467) -10.846,61.671 -11.702,60.815 ccw(c-9.906,59.019) -12.446,59.019 -12.446,55.072 cw(c-14.986,55.072) -13.19,53.276 S229.2@-14.071,52.395
col2: S202.2 S216.2 S230.2 S244.2 S258.2 U301.1 | length 249
  Component Side w0.254: U301.1@-106.807,4.064 ccw(c-106.807,6.517) -105.073,4.782 -104.382,5.473 ; -104.381,5.474 cw(c-102.265,3.356) -102.265,6.35 -82.078,6.35 cw(c-82.078,3.81) -80.282,5.606 -77.727,3.051 ; -77.726,3.05 ccw(c-75.88,4.898) -75.88,2.286 -73.061,2.286 ccw(c-73.061,4.826) -71.265,3.03 -70.612,3.683 cw(c-69.692,2.763) -69.692,4.064 -6.477,4.064 ccw(c-6.477,6.604) -3.937,6.604 -3.937,14.351 ccw(c-6.477,14.351) -6.477,16.891 -20.002,16.891 ccw(c-20.002,14.351) -21.798,16.147 -22.108,15.837 cw(c-24.645,18.374) -22.109,15.836 cw(c-24.645,18.374) -24.645,14.786 -36.692,14.786 ccw(c-36.692,13.11) S258.2@-37.878,14.295 ; S216.2@-33.915,68.905 -33.915,80.984 cw(c-31.375,80.984) -33.171,82.78 -32.125,83.826 ; -32.124,83.827 ccw(c-33.642,85.344) -31.496,85.344 cw(c-29.35,85.344) -31.481,85.596 -31.481,85.979 cw(c-28.941,85.979) -28.941,88.519 -24.954,88.519 S202.2@-24.39,87.955
  Bottom Layer w0.254: S258.2@-40.259,14.295 -40.259,17.998 cw(c-37.719,17.998) -39.515,19.794 -36.177,23.132 ccw(c-37.973,24.928) -35.433,24.928 -35.433,28.265 cw(c-32.893,28.265) -32.893,30.805 S244.2@-29.083,30.805 -29.083,35.397 ccw(c-31.623,35.397) -29.827,37.193 -37.934,45.3 cw(c-36.138,47.096) -38.678,47.096 S230.2@-38.677,49.855 ; S230.2@-38.677,49.855 -40.658,51.836 cw(c-38.862,53.632) -41.402,53.632 -41.402,56.225 cw(c-38.862,56.225) -40.658,58.021 -34.659,64.02 ccw(c-36.455,65.816) -33.915,65.816 S216.2@-33.915,68.905 S216.2@-33.915,69.983 ; S202.2@-25.081,88.646 S202.2@-24.39,87.955
col3: S203.2 S217.2 S231.2 S245.2 U301.16 | length 201.6
  Component Side w0.254: U301.16@-114.327,15.994 -114.292,15.994 -113.784,15.486 -113.784,15.459 -111.533,13.208 v1(-111.506,13.208)
  Bottom Layer w0.254: v1(-111.506,13.208) -111.506,12.743 ccw(c-109.29,12.743) -110.857,11.176 ; -110.857,11.176 -109.242,9.561 ccw(c-107.446,11.357) -107.446,8.817 -100.798,8.817 cw(c-100.798,6.898) -99.441,8.255 ccw(c-98.521,9.175) -98.521,7.874 -96.022,7.874 cw(c-96.022,5.704) -94.488,7.239 ccw(c-92.648,9.079) -92.648,6.477 -81.231,6.477 cw(c-81.231,2.575) -78.473,5.335 cw(c-81.231,2.575) -78.472,5.334 -77.348,4.21 ; -77.347,4.209 cw(c-74.589,6.969) -77.348,4.21 ; -75.527,3.12 ccw(c-74.965,6.061) -74.965,3.067 ; S203.2@-43.44,87.955 -43.44,79.755 ccw(c-42.672,79.755) -42.672,78.987 -40,78.987 cw(c-40,75.89) -38.282,78.467 cw(c-40,75.89) -37.04,76.8 cw(c-40,75.89) -37.698,73.819 cw(c-40,75.89) -38.361,73.262 ccw(c-38.227,73.047) -38.481,73.051 ccw(c-37.698,73.035) -38.481,73.035 -38.481,71.445 cw(c-41.021,71.445) -41.021,68.905 S217.2@-52.965,68.905 -52.965,55.67 cw(c-55.505,55.67) -53.709,53.874 S231.2@-57.727,49.855 -57.727,43.427 ccw(c-55.187,43.427) -55.187,40.887 -40.767,40.887 -40,40.887 cw(c-40,37.79) -39.083,40.748 ccw(c-40,37.79) -39.205,40.783 cw(c-40,37.79) -37.372,39.428 cw(c-40,37.79) -40,34.693 -45.662,34.693 ccw(c-45.662,32.153) -48.202,32.153 S245.2@-48.202,30.805 -48.202,26.136 cw(c-50.742,26.136) -48.946,24.34 -50.811,22.475 ccw(c-48.695,20.357) -51.689,20.361 ccw(c-48.695,20.357) -51.689,20.357 -51.689,19.431 -51.689,17.145 -51.689,12.319 -51.689,9.779 -51.689,5.878 cw(c-54.229,5.878) -52.433,4.082 -52.704,3.811 cw(c-54.5,5.607) -54.5,3.067 -74.965,3.067 ; -77.348,4.21 -77.082,3.944 ccw(c-74.965,6.061) -74.965,3.067
col4: S204.2 S218.2 S232.2 S246.2 S260.2 U301.18 | length 258.2
  Component Side w0.254: U301.18@-113.057,15.994 -110.271,13.208 v1(-110.236,13.208)
  Bottom Layer w0.254: v1(-110.236,13.208) -109.241,12.213 ccw(c-107.445,14.01) -107.445,11.47 -106.426,11.47 ; -106.426,11.484 -94.905,11.484 ccw(c-94.905,14.478) -92.789,12.36 -91.355,13.794 cw(c-89.559,11.998) -89.559,14.538 -78.589,14.538 ccw(c-78.589,17.078) -76.793,15.282 cw(c-75.668,14.157) -75.668,15.748 -72.526,15.748 cw(c-72.526,13.58) -70.993,15.113 -70.919,15.039 ccw(c-69.123,16.835) -69.123,14.295 S260.2@-64.077,14.295 -64.077,22.004 ccw(c-66.617,22.004) -64.821,23.8 -66.508,25.487 cw(c-64.712,27.283) -67.252,27.283 S246.2@-67.252,30.805 -67.252,32.607 cw(c-64.712,32.607) -64.712,35.147 -40,35.147 ccw(c-40,37.79) -40,40.433 -40.767,40.433 -74.237,40.433 cw(c-74.237,42.973) -76.777,42.973 S232.2@-76.777,49.855 -72.759,53.874 ccw(c-74.555,55.67) -72.015,55.67 S218.2@-72.015,68.905 -72.015,70.707 cw(c-69.475,70.707) -69.475,73.247 -40,73.247 ccw(c-40,75.89) -40,78.533 -66.3,78.533 cw(c-66.3,81.073) -68.84,81.073 S204.2@-68.84,90.495
col5: S205.2 S219.2 S233.2 S247.2 U301.20 | length 295.2
  Component Side w0.254: U301.20@-111.787,15.994 -109.001,13.208 v1@-108.966,13.208
  Bottom Layer w0.254: v1(-108.712,13.208) -108.186,12.682 ccw(c-106.39,14.478) -106.39,11.938 -94.905,11.938 ccw(c-94.905,14.478) -93.109,12.682 -89.771,16.02 ccw(c-91.567,17.816) -89.027,17.816 -89.027,22.951 cw(c-86.487,22.951) -88.283,24.747 -87.174,25.856 ccw(c-88.97,27.652) -87.122,25.91 ccw(c-88.97,27.652) -86.43,27.652 -86.43,30.677 S247.2@-86.302,30.805 -86.302,33.061 cw(c-83.762,33.061) -83.762,35.601 -40,35.601 ccw(c-40,37.79) -40,39.979 -40.259,39.979 -93.287,39.979 cw(c-93.287,42.519) -95.827,42.519 S233.2@-95.827,49.855 -91.809,53.874 ccw(c-93.605,55.67) -91.065,55.67 S219.2@-91.065,68.905 -91.065,71.161 cw(c-88.525,71.161) -88.525,73.701 -40,73.701 ccw(c-40,75.89) -40,78.079 -79,78.079 cw(c-79,80.619) -81.54,80.619 S205.2@-81.54,87.955
col6: S206.2 S220.2 S234.2 S248.2 S270.2 U301.17 | length 392.6
  Component Side w0.254: U301.17@-113.697,17.844 -113.697,19.323 cw(c-112.287,19.323) -113.284,20.32 -113.188,20.416 ccw(c-114.489,21.717) v1(-112.649,21.717)
  Bottom Layer w0.254: v1(-112.649,21.717) -105.869,21.717 cw(c-105.869,20.343) -104.897,21.315 ccw(c-104.394,21.971) -103.891,21.315 cw(c-103.736,21.113) -103.735,21.367 -102.743,21.367 cw(c-102.743,18.827) -100.899,20.574 cw(c-102.743,18.827) -100.203,18.827 -100.203,16.002 ccw(c-98.496,16.002) -98.496,14.295 S270.2@-95.033,14.295 -95.033,23.75 ccw(c-97.573,23.75) -95.777,25.546 -100.292,30.061 ccw(c-102.088,28.265) -102.088,30.805 S248.2@-105.352,30.805 -105.352,33.515 cw(c-102.812,33.515) -102.812,36.055 -40,36.055 ccw(c-40,37.79) -40,39.525 -95.123,39.525 -118.687,39.525 cw(c-118.687,42.065) -121.227,42.065 S234.2@-121.227,52.395 -117.209,56.414 ccw(c-119.005,58.21) -116.465,58.21 S220.2@-116.465,71.445 -116.465,71.615 cw(c-113.925,71.615) -113.925,74.155 -40,74.155 ccw(c-40,75.89) -40,77.625 -98.05,77.625 cw(c-98.05,80.165) -100.59,80.165 S206.2@-100.59,87.955